# Altium PCB PCB_IC.PcbDoc (part 3 of 4) (continued)
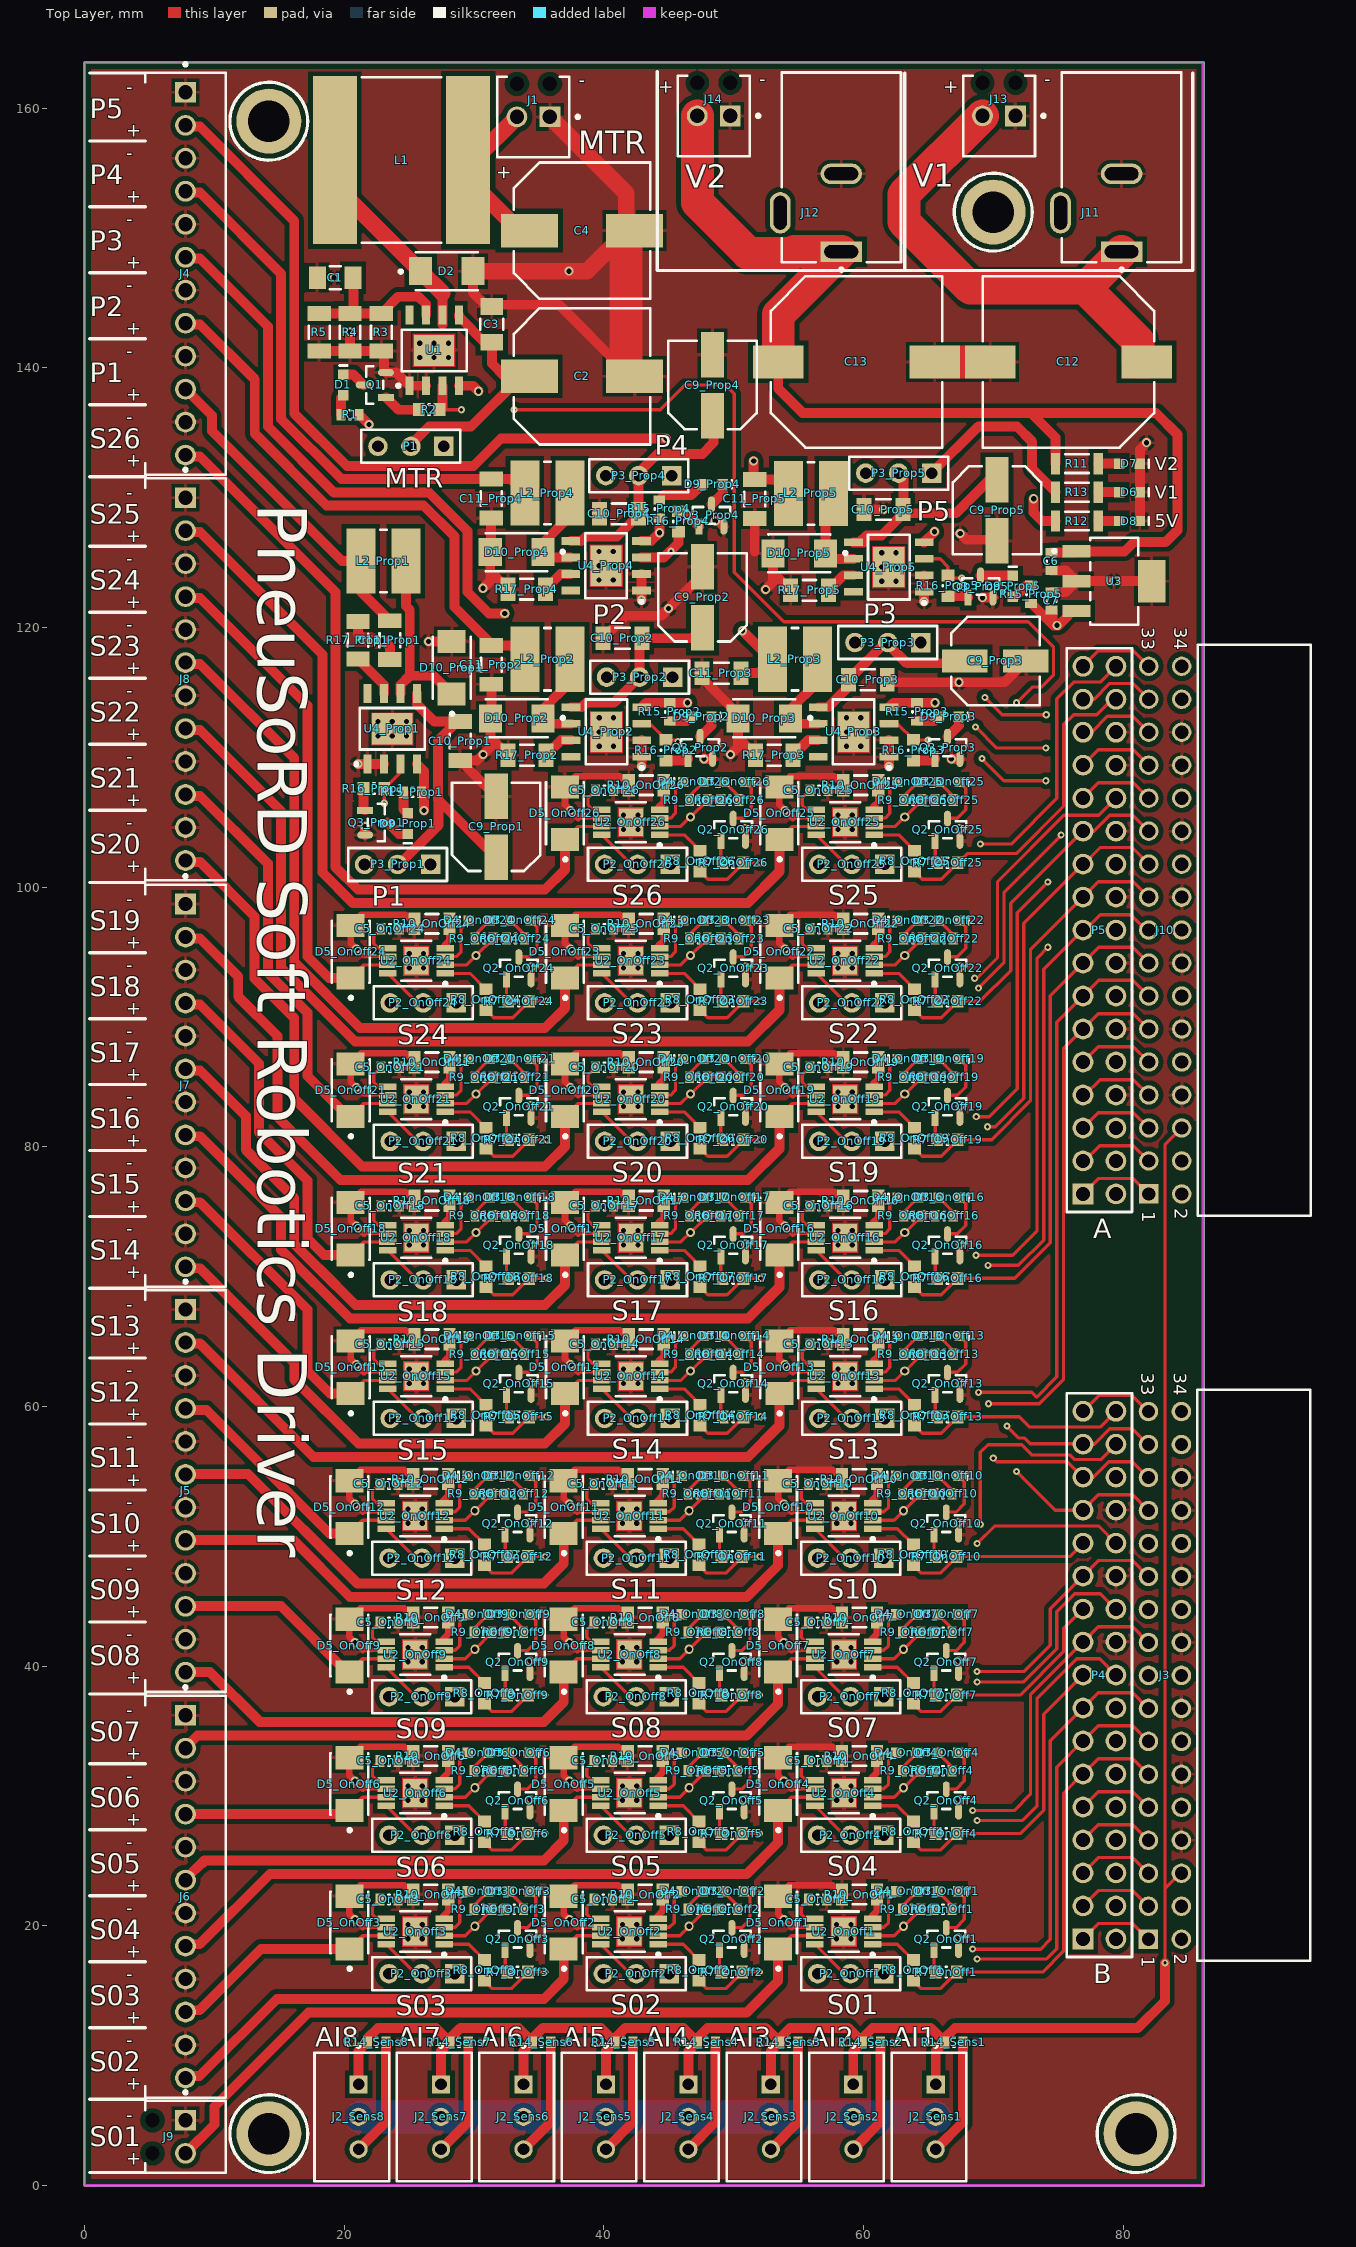
[diagram p0: Top Layer view]
## Nets (pads, with @x,y where several pads share a name; then routed paths per layer and width w, separated by ;. In a path a pad name is that pad's centre, name@x,y a point inside that pad or via, vN(x,y) a via of type N, cw(c..) or ccw(c..) an arc to the next point about the centre after c; other vN are vias at no path point) (continued)
NetD3_OnOff3_2: D3_OnOff3.2 R6_OnOff3.1 | length 1.9
  Top Layer w0.254: D3_OnOff3.2@32.685,22.668 33.804,21.549 R6_OnOff3.1@33.804,21.271
NetD3_OnOff4_1: D3_OnOff4.1 Q2_OnOff4.3 | length 4
  Top Layer w0.254: Q2_OnOff4.3@66.378,30.513 66.407,30.542 67.14,30.542 67.775,31.177 67.775,32.866 D3_OnOff4.1@67.305,33.336
NetD3_OnOff4_2: D3_OnOff4.2 R6_OnOff4.1 | length 1.9
  Top Layer w0.254: D3_OnOff4.2@65.705,33.336 66.824,32.217 R6_OnOff4.1@66.824,31.939
NetD3_OnOff5_1: D3_OnOff5.1 Q2_OnOff5.3 | length 4
  Top Layer w0.254: Q2_OnOff5.3@49.868,30.513 49.897,30.542 50.63,30.542 51.265,31.177 51.265,32.866 D3_OnOff5.1@50.795,33.336
NetD3_OnOff5_2: D3_OnOff5.2 R6_OnOff5.1 | length 1.9
  Top Layer w0.254: D3_OnOff5.2@49.195,33.336 50.314,32.217 R6_OnOff5.1@50.314,31.939
NetD3_OnOff6_1: D3_OnOff6.1 Q2_OnOff6.3 | length 4
  Top Layer w0.254: Q2_OnOff6.3@33.358,30.513 33.387,30.542 34.12,30.542 34.755,31.177 34.755,32.866 D3_OnOff6.1@34.285,33.336
NetD3_OnOff6_2: D3_OnOff6.2 R6_OnOff6.1 | length 1.9
  Top Layer w0.254: D3_OnOff6.2@32.685,33.336 33.804,32.217 R6_OnOff6.1@33.804,31.939
NetD3_OnOff7_1: D3_OnOff7.1 Q2_OnOff7.3 | length 4
  Top Layer w0.254: Q2_OnOff7.3@66.378,41.181 66.407,41.21 67.14,41.21 67.775,41.845 67.775,43.534 D3_OnOff7.1@67.305,44.004
NetD3_OnOff7_2: D3_OnOff7.2 R6_OnOff7.1 | length 1.9
  Top Layer w0.254: D3_OnOff7.2@65.705,44.004 66.824,42.885 R6_OnOff7.1@66.824,42.607
NetD3_OnOff8_1: D3_OnOff8.1 Q2_OnOff8.3 | length 4
  Top Layer w0.254: Q2_OnOff8.3@49.868,41.181 49.897,41.21 50.63,41.21 51.265,41.845 51.265,43.534 D3_OnOff8.1@50.795,44.004
NetD3_OnOff8_2: D3_OnOff8.2 R6_OnOff8.1 | length 1.9
  Top Layer w0.254: D3_OnOff8.2@49.195,44.004 50.314,42.885 R6_OnOff8.1@50.314,42.607
NetD3_OnOff9_1: D3_OnOff9.1 Q2_OnOff9.3 | length 4
  Top Layer w0.254: Q2_OnOff9.3@33.358,41.181 33.387,41.21 34.12,41.21 34.755,41.845 34.755,43.534 D3_OnOff9.1@34.285,44.004
NetD3_OnOff9_2: D3_OnOff9.2 R6_OnOff9.1 | length 1.9
  Top Layer w0.254: D3_OnOff9.2@32.685,44.004 33.804,42.885 R6_OnOff9.1@33.804,42.607
NetD3_OnOff10_1: D3_OnOff10.1 Q2_OnOff10.3 | length 4
  Top Layer w0.254: Q2_OnOff10.3@66.378,51.849 66.407,51.878 67.14,51.878 67.775,52.513 67.775,54.202 D3_OnOff10.1@67.305,54.672
NetD3_OnOff10_2: D3_OnOff10.2 R6_OnOff10.1 | length 1.9
  Top Layer w0.254: D3_OnOff10.2@65.705,54.672 66.824,53.553 R6_OnOff10.1@66.824,53.275
NetD3_OnOff11_1: D3_OnOff11.1 Q2_OnOff11.3 | length 4
  Top Layer w0.254: Q2_OnOff11.3@49.868,51.849 49.897,51.878 50.63,51.878 51.265,52.513 51.265,54.202 D3_OnOff11.1@50.795,54.672
NetD3_OnOff11_2: D3_OnOff11.2 R6_OnOff11.1 | length 1.9
  Top Layer w0.254: D3_OnOff11.2@49.195,54.672 50.314,53.553 R6_OnOff11.1@50.314,53.275
NetD3_OnOff12_1: D3_OnOff12.1 Q2_OnOff12.3 | length 4
  Top Layer w0.254: Q2_OnOff12.3@33.358,51.849 33.387,51.878 34.12,51.878 34.755,52.513 34.755,54.202 D3_OnOff12.1@34.285,54.672
NetD3_OnOff12_2: D3_OnOff12.2 R6_OnOff12.1 | length 1.9
  Top Layer w0.254: D3_OnOff12.2@32.685,54.672 33.804,53.553 R6_OnOff12.1@33.804,53.275
NetD3_OnOff13_1: D3_OnOff13.1 Q2_OnOff13.3 | length 4
  Top Layer w0.254: Q2_OnOff13.3@66.474,62.613 66.503,62.642 67.236,62.642 67.871,63.277 67.871,64.966 D3_OnOff13.1@67.401,65.436
NetD3_OnOff13_2: D3_OnOff13.2 R6_OnOff13.1 | length 1.9
  Top Layer w0.254: D3_OnOff13.2@65.801,65.436 66.92,64.317 R6_OnOff13.1@66.92,64.039
NetD3_OnOff14_1: D3_OnOff14.1 Q2_OnOff14.3 | length 4
  Top Layer w0.254: Q2_OnOff14.3@49.964,62.613 49.993,62.642 50.726,62.642 51.361,63.277 51.361,64.966 D3_OnOff14.1@50.891,65.436
NetD3_OnOff14_2: D3_OnOff14.2 R6_OnOff14.1 | length 1.9
  Top Layer w0.254: D3_OnOff14.2@49.291,65.436 50.41,64.317 R6_OnOff14.1@50.41,64.039
NetD3_OnOff15_1: D3_OnOff15.1 Q2_OnOff15.3 | length 4
  Top Layer w0.254: Q2_OnOff15.3@33.454,62.613 33.483,62.642 34.216,62.642 34.851,63.277 34.851,64.966 D3_OnOff15.1@34.381,65.436
NetD3_OnOff15_2: D3_OnOff15.2 R6_OnOff15.1 | length 1.9
  Top Layer w0.254: D3_OnOff15.2@32.781,65.436 33.9,64.317 R6_OnOff15.1@33.9,64.039
NetD3_OnOff16_1: D3_OnOff16.1 Q2_OnOff16.3 | length 4
  Top Layer w0.254: Q2_OnOff16.3@66.474,73.281 66.503,73.31 67.236,73.31 67.871,73.945 67.871,75.634 D3_OnOff16.1@67.401,76.104
NetD3_OnOff16_2: D3_OnOff16.2 R6_OnOff16.1 | length 1.9
  Top Layer w0.254: D3_OnOff16.2@65.801,76.104 66.92,74.985 R6_OnOff16.1@66.92,74.707
NetD3_OnOff17_1: D3_OnOff17.1 Q2_OnOff17.3 | length 4
  Top Layer w0.254: Q2_OnOff17.3@49.964,73.281 49.993,73.31 50.726,73.31 51.361,73.945 51.361,75.634 D3_OnOff17.1@50.891,76.104
NetD3_OnOff17_2: D3_OnOff17.2 R6_OnOff17.1 | length 1.9
  Top Layer w0.254: D3_OnOff17.2@49.291,76.104 50.41,74.985 R6_OnOff17.1@50.41,74.707
NetD3_OnOff18_1: D3_OnOff18.1 Q2_OnOff18.3 | length 4
  Top Layer w0.254: Q2_OnOff18.3@33.454,73.281 33.483,73.31 34.216,73.31 34.851,73.945 34.851,75.634 D3_OnOff18.1@34.381,76.104
NetD3_OnOff18_2: D3_OnOff18.2 R6_OnOff18.1 | length 1.9
  Top Layer w0.254: D3_OnOff18.2@32.781,76.104 33.9,74.985 R6_OnOff18.1@33.9,74.707
NetD3_OnOff19_1: D3_OnOff19.1 Q2_OnOff19.3 | length 4
  Top Layer w0.254: Q2_OnOff19.3@66.474,83.949 66.503,83.978 67.236,83.978 67.871,84.613 67.871,86.302 D3_OnOff19.1@67.401,86.772
NetD3_OnOff19_2: D3_OnOff19.2 R6_OnOff19.1 | length 1.9
  Top Layer w0.254: D3_OnOff19.2@65.801,86.772 66.92,85.653 R6_OnOff19.1@66.92,85.375
NetD3_OnOff20_1: D3_OnOff20.1 Q2_OnOff20.3 | length 4
  Top Layer w0.254: Q2_OnOff20.3@49.964,83.949 49.993,83.978 50.726,83.978 51.361,84.613 51.361,86.302 D3_OnOff20.1@50.891,86.772
NetD3_OnOff20_2: D3_OnOff20.2 R6_OnOff20.1 | length 1.9
  Top Layer w0.254: D3_OnOff20.2@49.291,86.772 50.41,85.653 R6_OnOff20.1@50.41,85.375
NetD3_OnOff21_1: D3_OnOff21.1 Q2_OnOff21.3 | length 4
  Top Layer w0.254: Q2_OnOff21.3@33.454,83.949 33.483,83.978 34.216,83.978 34.851,84.613 34.851,86.302 D3_OnOff21.1@34.381,86.772
NetD3_OnOff21_2: D3_OnOff21.2 R6_OnOff21.1 | length 1.9
  Top Layer w0.254: D3_OnOff21.2@32.781,86.772 33.9,85.653 R6_OnOff21.1@33.9,85.375
NetD3_OnOff22_1: D3_OnOff22.1 Q2_OnOff22.3 | length 4
  Top Layer w0.254: Q2_OnOff22.3@66.474,94.617 66.503,94.646 67.236,94.646 67.871,95.281 67.871,96.97 D3_OnOff22.1@67.401,97.44
NetD3_OnOff22_2: D3_OnOff22.2 R6_OnOff22.1 | length 1.9
  Top Layer w0.254: D3_OnOff22.2@65.801,97.44 66.92,96.321 R6_OnOff22.1@66.92,96.043
NetD3_OnOff23_1: D3_OnOff23.1 Q2_OnOff23.3 | length 4
  Top Layer w0.254: Q2_OnOff23.3@49.964,94.617 49.993,94.646 50.726,94.646 51.361,95.281 51.361,96.97 D3_OnOff23.1@50.891,97.44
NetD3_OnOff23_2: D3_OnOff23.2 R6_OnOff23.1 | length 1.9
  Top Layer w0.254: D3_OnOff23.2@49.291,97.44 50.41,96.321 R6_OnOff23.1@50.41,96.043
NetD3_OnOff24_1: D3_OnOff24.1 Q2_OnOff24.3 | length 4
  Top Layer w0.254: Q2_OnOff24.3@33.454,94.617 33.483,94.646 34.216,94.646 34.851,95.281 34.851,96.97 D3_OnOff24.1@34.381,97.44
NetD3_OnOff24_2: D3_OnOff24.2 R6_OnOff24.1 | length 1.9
  Top Layer w0.254: D3_OnOff24.2@32.781,97.44 33.9,96.321 R6_OnOff24.1@33.9,96.043
NetD3_OnOff25_1: D3_OnOff25.1 Q2_OnOff25.3 | length 4
  Top Layer w0.254: Q2_OnOff25.3@66.474,105.285 66.503,105.314 67.236,105.314 67.871,105.949 67.871,107.638 D3_OnOff25.1@67.401,108.108
NetD3_OnOff25_2: D3_OnOff25.2 R6_OnOff25.1 | length 1.9
  Top Layer w0.254: D3_OnOff25.2@65.801,108.108 66.92,106.989 R6_OnOff25.1@66.92,106.711
NetD3_OnOff26_1: D3_OnOff26.1 Q2_OnOff26.3 | length 4
  Top Layer w0.254: Q2_OnOff26.3@49.964,105.285 49.993,105.314 50.726,105.314 51.361,105.949 51.361,107.638 D3_OnOff26.1@50.891,108.108
NetD3_OnOff26_2: D3_OnOff26.2 R6_OnOff26.1 | length 1.9
  Top Layer w0.254: D3_OnOff26.2@49.291,108.108 50.41,106.989 R6_OnOff26.1@50.41,106.711
NetD4_OnOff1_1: D4_OnOff1.1 U2_OnOff1.3 | length 4
  Top Layer w0.254: U2_OnOff1.3@60.718,19.889 61.567,19.889 61.933,20.255 61.933,22.071 D4_OnOff1.1@62.53,22.668
NetD4_OnOff1_2: D4_OnOff1.2 R9_OnOff1.1 | length 1.9
  Top Layer w0.254: R9_OnOff1.1@63.011,21.271 63.011,21.549 D4_OnOff1.2@64.13,22.668
NetD4_OnOff2_1: D4_OnOff2.1 U2_OnOff2.3 | length 4
  Top Layer w0.254: U2_OnOff2.3@44.208,19.889 45.057,19.889 45.423,20.255 45.423,22.071 D4_OnOff2.1@46.02,22.668
NetD4_OnOff2_2: D4_OnOff2.2 R9_OnOff2.1 | length 1.9
  Top Layer w0.254: R9_OnOff2.1@46.501,21.271 46.501,21.549 D4_OnOff2.2@47.62,22.668
NetD4_OnOff3_1: D4_OnOff3.1 U2_OnOff3.3 | length 4
  Top Layer w0.254: U2_OnOff3.3@27.698,19.889 28.547,19.889 28.913,20.255 28.913,22.071 D4_OnOff3.1@29.51,22.668
NetD4_OnOff3_2: D4_OnOff3.2 R9_OnOff3.1 | length 1.9
  Top Layer w0.254: R9_OnOff3.1@29.991,21.271 29.991,21.549 D4_OnOff3.2@31.11,22.668
NetD4_OnOff4_1: D4_OnOff4.1 U2_OnOff4.3 | length 4
  Top Layer w0.254: U2_OnOff4.3@60.718,30.557 61.567,30.557 61.933,30.923 61.933,32.739 D4_OnOff4.1@62.53,33.336
NetD4_OnOff4_2: D4_OnOff4.2 R9_OnOff4.1 | length 1.9
  Top Layer w0.254: R9_OnOff4.1@63.011,31.939 63.011,32.217 D4_OnOff4.2@64.13,33.336
NetD4_OnOff5_1: D4_OnOff5.1 U2_OnOff5.3 | length 4
  Top Layer w0.254: U2_OnOff5.3@44.208,30.557 45.057,30.557 45.423,30.923 45.423,32.739 D4_OnOff5.1@46.02,33.336
NetD4_OnOff5_2: D4_OnOff5.2 R9_OnOff5.1 | length 1.9
  Top Layer w0.254: R9_OnOff5.1@46.501,31.939 46.501,32.217 D4_OnOff5.2@47.62,33.336
NetD4_OnOff6_1: D4_OnOff6.1 U2_OnOff6.3 | length 4
  Top Layer w0.254: U2_OnOff6.3@27.698,30.557 28.547,30.557 28.913,30.923 28.913,32.739 D4_OnOff6.1@29.51,33.336
NetD4_OnOff6_2: D4_OnOff6.2 R9_OnOff6.1 | length 1.9
  Top Layer w0.254: R9_OnOff6.1@29.991,31.939 29.991,32.217 D4_OnOff6.2@31.11,33.336
NetD4_OnOff7_1: D4_OnOff7.1 U2_OnOff7.3 | length 4
  Top Layer w0.254: U2_OnOff7.3@60.718,41.225 61.567,41.225 61.933,41.591 61.933,43.407 D4_OnOff7.1@62.53,44.004
NetD4_OnOff7_2: D4_OnOff7.2 R9_OnOff7.1 | length 1.9
  Top Layer w0.254: R9_OnOff7.1@63.011,42.607 63.011,42.885 D4_OnOff7.2@64.13,44.004
NetD4_OnOff8_1: D4_OnOff8.1 U2_OnOff8.3 | length 4
  Top Layer w0.254: U2_OnOff8.3@44.208,41.225 45.057,41.225 45.423,41.591 45.423,43.407 D4_OnOff8.1@46.02,44.004
NetD4_OnOff8_2: D4_OnOff8.2 R9_OnOff8.1 | length 1.9
  Top Layer w0.254: R9_OnOff8.1@46.501,42.607 46.501,42.885 D4_OnOff8.2@47.62,44.004
NetD4_OnOff9_1: D4_OnOff9.1 U2_OnOff9.3 | length 4
  Top Layer w0.254: U2_OnOff9.3@27.698,41.225 28.547,41.225 28.913,41.591 28.913,43.407 D4_OnOff9.1@29.51,44.004
NetD4_OnOff9_2: D4_OnOff9.2 R9_OnOff9.1 | length 1.9
  Top Layer w0.254: R9_OnOff9.1@29.991,42.607 29.991,42.885 D4_OnOff9.2@31.11,44.004
NetD4_OnOff10_1: D4_OnOff10.1 U2_OnOff10.3 | length 4
  Top Layer w0.254: U2_OnOff10.3@60.718,51.893 61.567,51.893 61.933,52.259 61.933,54.075 D4_OnOff10.1@62.53,54.672
NetD4_OnOff10_2: D4_OnOff10.2 R9_OnOff10.1 | length 1.9
  Top Layer w0.254: R9_OnOff10.1@63.011,53.275 63.011,53.553 D4_OnOff10.2@64.13,54.672
NetD4_OnOff11_1: D4_OnOff11.1 U2_OnOff11.3 | length 4
  Top Layer w0.254: U2_OnOff11.3@44.208,51.893 45.057,51.893 45.423,52.259 45.423,54.075 D4_OnOff11.1@46.02,54.672
NetD4_OnOff11_2: D4_OnOff11.2 R9_OnOff11.1 | length 1.9
  Top Layer w0.254: R9_OnOff11.1@46.501,53.275 46.501,53.553 D4_OnOff11.2@47.62,54.672
NetD4_OnOff12_1: D4_OnOff12.1 U2_OnOff12.3 | length 4
  Top Layer w0.254: U2_OnOff12.3@27.698,51.893 28.547,51.893 28.913,52.259 28.913,54.075 D4_OnOff12.1@29.51,54.672
NetD4_OnOff12_2: D4_OnOff12.2 R9_OnOff12.1 | length 1.9
  Top Layer w0.254: R9_OnOff12.1@29.991,53.275 29.991,53.553 D4_OnOff12.2@31.11,54.672
NetD4_OnOff13_1: D4_OnOff13.1 U2_OnOff13.3 | length 4
  Top Layer w0.254: U2_OnOff13.3@60.814,62.657 61.663,62.657 62.029,63.023 62.029,64.839 D4_OnOff13.1@62.626,65.436
NetD4_OnOff13_2: D4_OnOff13.2 R9_OnOff13.1 | length 1.9
  Top Layer w0.254: R9_OnOff13.1@63.107,64.039 63.107,64.317 D4_OnOff13.2@64.226,65.436
NetD4_OnOff14_1: D4_OnOff14.1 U2_OnOff14.3 | length 4
  Top Layer w0.254: U2_OnOff14.3@44.304,62.657 45.153,62.657 45.519,63.023 45.519,64.839 D4_OnOff14.1@46.116,65.436
NetD4_OnOff14_2: D4_OnOff14.2 R9_OnOff14.1 | length 1.9
  Top Layer w0.254: R9_OnOff14.1@46.597,64.039 46.597,64.317 D4_OnOff14.2@47.716,65.436
NetD4_OnOff15_1: D4_OnOff15.1 U2_OnOff15.3 | length 4
  Top Layer w0.254: U2_OnOff15.3@27.794,62.657 28.643,62.657 29.009,63.023 29.009,64.839 D4_OnOff15.1@29.606,65.436
NetD4_OnOff15_2: D4_OnOff15.2 R9_OnOff15.1 | length 1.9
  Top Layer w0.254: R9_OnOff15.1@30.087,64.039 30.087,64.317 D4_OnOff15.2@31.206,65.436
NetD4_OnOff16_1: D4_OnOff16.1 U2_OnOff16.3 | length 4
  Top Layer w0.254: U2_OnOff16.3@60.814,73.325 61.663,73.325 62.029,73.691 62.029,75.507 D4_OnOff16.1@62.626,76.104
NetD4_OnOff16_2: D4_OnOff16.2 R9_OnOff16.1 | length 1.9
  Top Layer w0.254: R9_OnOff16.1@63.107,74.707 63.107,74.985 D4_OnOff16.2@64.226,76.104
NetD4_OnOff17_1: D4_OnOff17.1 U2_OnOff17.3 | length 4
  Top Layer w0.254: U2_OnOff17.3@44.304,73.325 45.153,73.325 45.519,73.691 45.519,75.507 D4_OnOff17.1@46.116,76.104
NetD4_OnOff17_2: D4_OnOff17.2 R9_OnOff17.1 | length 1.9
  Top Layer w0.254: R9_OnOff17.1@46.597,74.707 46.597,74.985 D4_OnOff17.2@47.716,76.104
NetD4_OnOff18_1: D4_OnOff18.1 U2_OnOff18.3 | length 4
  Top Layer w0.254: U2_OnOff18.3@27.794,73.325 28.643,73.325 29.009,73.691 29.009,75.507 D4_OnOff18.1@29.606,76.104
NetD4_OnOff18_2: D4_OnOff18.2 R9_OnOff18.1 | length 1.9
  Top Layer w0.254: R9_OnOff18.1@30.087,74.707 30.087,74.985 D4_OnOff18.2@31.206,76.104
NetD4_OnOff19_1: D4_OnOff19.1 U2_OnOff19.3 | length 4
  Top Layer w0.254: U2_OnOff19.3@60.814,83.993 61.663,83.993 62.029,84.359 62.029,86.175 D4_OnOff19.1@62.626,86.772
NetD4_OnOff19_2: D4_OnOff19.2 R9_OnOff19.1 | length 1.9
  Top Layer w0.254: R9_OnOff19.1@63.107,85.375 63.107,85.653 D4_OnOff19.2@64.226,86.772
NetD4_OnOff20_1: D4_OnOff20.1 U2_OnOff20.3 | length 4
  Top Layer w0.254: U2_OnOff20.3@44.304,83.993 45.153,83.993 45.519,84.359 45.519,86.175 D4_OnOff20.1@46.116,86.772
NetD4_OnOff20_2: D4_OnOff20.2 R9_OnOff20.1 | length 1.9
  Top Layer w0.254: R9_OnOff20.1@46.597,85.375 46.597,85.653 D4_OnOff20.2@47.716,86.772
NetD4_OnOff21_1: D4_OnOff21.1 U2_OnOff21.3 | length 4
  Top Layer w0.254: U2_OnOff21.3@27.794,83.993 28.643,83.993 29.009,84.359 29.009,86.175 D4_OnOff21.1@29.606,86.772
NetD4_OnOff21_2: D4_OnOff21.2 R9_OnOff21.1 | length 1.9
  Top Layer w0.254: R9_OnOff21.1@30.087,85.375 30.087,85.653 D4_OnOff21.2@31.206,86.772
NetD4_OnOff22_1: D4_OnOff22.1 U2_OnOff22.3 | length 4
  Top Layer w0.254: U2_OnOff22.3@60.814,94.661 61.663,94.661 62.029,95.027 62.029,96.843 D4_OnOff22.1@62.626,97.44
NetD4_OnOff22_2: D4_OnOff22.2 R9_OnOff22.1 | length 1.9
  Top Layer w0.254: R9_OnOff22.1@63.107,96.043 63.107,96.321 D4_OnOff22.2@64.226,97.44
NetD4_OnOff23_1: D4_OnOff23.1 U2_OnOff23.3 | length 4
  Top Layer w0.254: U2_OnOff23.3@44.304,94.661 45.153,94.661 45.519,95.027 45.519,96.843 D4_OnOff23.1@46.116,97.44
NetD4_OnOff23_2: D4_OnOff23.2 R9_OnOff23.1 | length 1.9
  Top Layer w0.254: R9_OnOff23.1@46.597,96.043 46.597,96.321 D4_OnOff23.2@47.716,97.44
NetD4_OnOff24_1: D4_OnOff24.1 U2_OnOff24.3 | length 4
  Top Layer w0.254: U2_OnOff24.3@27.794,94.661 28.643,94.661 29.009,95.027 29.009,96.843 D4_OnOff24.1@29.606,97.44
NetD4_OnOff24_2: D4_OnOff24.2 R9_OnOff24.1 | length 1.9
  Top Layer w0.254: R9_OnOff24.1@30.087,96.043 30.087,96.321 D4_OnOff24.2@31.206,97.44
NetD4_OnOff25_1: D4_OnOff25.1 U2_OnOff25.3 | length 4
  Top Layer w0.254: U2_OnOff25.3@60.814,105.329 61.663,105.329 62.029,105.695 62.029,107.511 D4_OnOff25.1@62.626,108.108
NetD4_OnOff25_2: D4_OnOff25.2 R9_OnOff25.1 | length 1.9
  Top Layer w0.254: R9_OnOff25.1@63.107,106.711 63.107,106.989 D4_OnOff25.2@64.226,108.108
NetD4_OnOff26_1: D4_OnOff26.1 U2_OnOff26.3 | length 4
  Top Layer w0.254: U2_OnOff26.3@44.304,105.329 45.153,105.329 45.519,105.695 45.519,107.511 D4_OnOff26.1@46.116,108.108
NetD4_OnOff26_2: D4_OnOff26.2 R9_OnOff26.1 | length 1.9
  Top Layer w0.254: R9_OnOff26.1@46.597,106.711 46.597,106.989 D4_OnOff26.2@47.716,108.108
NetD6_2: D6.2 R13.1 | length 1.6
  Top Layer w0.762: R13.1@78.088,130.429 D6.2@79.689,130.429
NetD7_2: D7.2 R11.1 | length 1.6
  Top Layer w0.762: R11.1@78.088,132.626 D7.2@79.689,132.626
NetD8_2: D8.2 R12.1 | length 1.6
  Top Layer w0.762: R12.1@78.088,128.206 D8.2@79.689,128.206 ; D8.2@79.737,128.206 D8.2@79.739,128.204
NetD9_Prop1_1: D9_Prop1.1 Q3_Prop1.3 | length 1.9
  Top Layer w0.762: Q3_Prop1.3@23.342,104.977 24.218,104.1 D9_Prop1.1@24.887,104.1
NetD9_Prop1_2: D9_Prop1.2 R15_Prop1.1 | length 1.8
  Top Layer w0.762: R15_Prop1.1@24.56,107.321 24.56,106.027 D9_Prop1.2@24.887,105.7
NetD9_Prop2_1: D9_Prop2.1 Q3_Prop2.3 | length 1.9
  Top Layer w0.762: Q3_Prop2.3@47.424,111.592 48.3,112.468 D9_Prop2.1@48.3,113.137
NetD9_Prop2_2: D9_Prop2.2 R15_Prop2.1 | length 1.8
  Top Layer w0.762: R15_Prop2.1@45.08,112.81 46.373,112.81 D9_Prop2.2@46.7,113.137
NetD9_Prop3_1: D9_Prop3.1 Q3_Prop3.3 | length 1.9
  Top Layer w0.762: Q3_Prop3.3@66.474,111.592 67.35,112.468 D9_Prop3.1@67.35,113.137
NetD9_Prop3_2: D9_Prop3.2 R15_Prop3.1 | length 1.8
  Top Layer w0.762: R15_Prop3.1@64.13,112.81 65.423,112.81 D9_Prop3.2@65.75,113.137
NetD9_Prop4_1: D9_Prop4.1 Q3_Prop4.3 | length 1.9
  Top Layer w0.762: Q3_Prop4.3@48.294,129.493 49.171,130.37 D9_Prop4.1@49.171,131.039
NetD9_Prop4_2: D9_Prop4.2 R15_Prop4.1 | length 3.8
  Top Layer w0.762: R15_Prop4.1@44.281,129.835 44.647,130.2 46.732,130.2 D9_Prop4.2@47.571,131.039
NetD9_Prop5_1: D9_Prop5.1 Q3_Prop5.3 | length 2.5
  Top Layer w0.762: Q3_Prop5.3@69.021,124.022 71.475,124.022 D9_Prop5.1@71.51,123.987
NetD9_Prop5_2: D9_Prop5.2 R15_Prop5.1 | length 1.8
  Top Layer w0.762: D9_Prop5.2@71.51,122.387 71.687,122.387 72.555,123.255 R15_Prop5.1@72.907,123.255
NetD10_Prop1_1: D10_Prop1.1 L2_Prop1.1 U4_Prop1.6 | length 14.4
  Top Layer w0.762: U4_Prop1.6@24.345,114.93 24.345,115.583 25.051,116.29 ; L2_Prop1.1@24.757,125.122 24.757,121.664 25.057,121.364 25.057,116.295 25.051,116.29 ; D10_Prop1.1@28.286,114.879 26.876,116.29 25.051,116.29
NetD10_Prop2_1: D10_Prop2.1 L2_Prop2.1 U4_Prop2.6 | length 7.7
  Top Layer w0.762: L2_Prop2.1@37.399,117.558 37.399,115.788 35.327,113.715 D10_Prop2.1@35.327,113.01 35.742,112.594 U4_Prop2.6@37.471,112.594
NetD10_Prop3_1: D10_Prop3.1 L2_Prop3.1 U4_Prop3.6 | length 7.7
  Top Layer w0.762: L2_Prop3.1@56.449,117.558 56.449,115.788 54.377,113.715 D10_Prop3.1@54.377,113.01 54.792,112.594 U4_Prop3.6@56.521,112.594
NetD10_Prop4_1: D10_Prop4.1 L2_Prop4.1 U4_Prop4.6 | length 7.7
  Top Layer w0.762: L2_Prop4.1@37.38,130.354 37.38,128.584 35.308,126.511 D10_Prop4.1@35.308,125.806 35.724,125.39 U4_Prop4.6@37.452,125.39
NetD10_Prop5_1: D10_Prop5.1 L2_Prop5.1 U4_Prop5.6 | length 7.2
  Top Layer w0.762: L2_Prop5.1@57.689,130.335 57.084,129.73 D10_Prop5.1@57.084,125.711 57.5,125.295 U4_Prop5.6@59.229,125.295
NetQ1_1: Q1.1 R2.2 | length 2.9
  Top Layer w0.762: Q1.1@23.221,137.734 24.176,136.779 R2.2@25.752,136.779
NetQ2_OnOff1_1: Q2_OnOff1.1 R7_OnOff1.2 | length 1.7
  Top Layer w0.254: Q2_OnOff1.1@65.428,18.125 65.428,16.595 R7_OnOff1.2@65.578,16.445
NetQ2_OnOff2_1: Q2_OnOff2.1 R7_OnOff2.2 | length 1.7
  Top Layer w0.254: Q2_OnOff2.1@48.918,18.125 48.918,16.595 R7_OnOff2.2@49.068,16.445
NetQ2_OnOff3_1: Q2_OnOff3.1 R7_OnOff3.2 | length 1.7
  Top Layer w0.254: Q2_OnOff3.1@32.408,18.125 32.408,16.595 R7_OnOff3.2@32.558,16.445
NetQ2_OnOff4_1: Q2_OnOff4.1 R7_OnOff4.2 | length 1.7
  Top Layer w0.254: Q2_OnOff4.1@65.428,28.793 65.428,27.263 R7_OnOff4.2@65.578,27.113
NetQ2_OnOff5_1: Q2_OnOff5.1 R7_OnOff5.2 | length 1.7
  Top Layer w0.254: Q2_OnOff5.1@48.918,28.793 48.918,27.263 R7_OnOff5.2@49.068,27.113
NetQ2_OnOff6_1: Q2_OnOff6.1 R7_OnOff6.2 | length 1.7
  Top Layer w0.254: Q2_OnOff6.1@32.408,28.793 32.408,27.263 R7_OnOff6.2@32.558,27.113
NetQ2_OnOff7_1: Q2_OnOff7.1 R7_OnOff7.2 | length 1.7
  Top Layer w0.254: Q2_OnOff7.1@65.428,39.461 65.428,37.931 R7_OnOff7.2@65.578,37.781
NetQ2_OnOff8_1: Q2_OnOff8.1 R7_OnOff8.2 | length 1.7
  Top Layer w0.254: Q2_OnOff8.1@48.918,39.461 48.918,37.931 R7_OnOff8.2@49.068,37.781
NetQ2_OnOff9_1: Q2_OnOff9.1 R7_OnOff9.2 | length 1.7
  Top Layer w0.254: Q2_OnOff9.1@32.408,39.461 32.408,37.931 R7_OnOff9.2@32.558,37.781
NetQ2_OnOff10_1: Q2_OnOff10.1 R7_OnOff10.2 | length 1.7
  Top Layer w0.254: Q2_OnOff10.1@65.428,50.129 65.428,48.599 R7_OnOff10.2@65.578,48.449
NetQ2_OnOff11_1: Q2_OnOff11.1 R7_OnOff11.2 | length 1.7
  Top Layer w0.254: Q2_OnOff11.1@48.918,50.129 48.918,48.599 R7_OnOff11.2@49.068,48.449
NetQ2_OnOff12_1: Q2_OnOff12.1 R7_OnOff12.2 | length 1.7
  Top Layer w0.254: Q2_OnOff12.1@32.408,50.129 32.408,48.599 R7_OnOff12.2@32.558,48.449
NetQ2_OnOff13_1: Q2_OnOff13.1 R7_OnOff13.2 | length 1.7
  Top Layer w0.254: Q2_OnOff13.1@65.524,60.893 65.524,59.363 R7_OnOff13.2@65.674,59.213
NetQ2_OnOff14_1: Q2_OnOff14.1 R7_OnOff14.2 | length 1.7
  Top Layer w0.254: Q2_OnOff14.1@49.014,60.893 49.014,59.363 R7_OnOff14.2@49.164,59.213
NetQ2_OnOff15_1: Q2_OnOff15.1 R7_OnOff15.2 | length 1.7
  Top Layer w0.254: Q2_OnOff15.1@32.504,60.893 32.504,59.363 R7_OnOff15.2@32.654,59.213
NetQ2_OnOff16_1: Q2_OnOff16.1 R7_OnOff16.2 | length 1.7
  Top Layer w0.254: Q2_OnOff16.1@65.524,71.561 65.524,70.031 R7_OnOff16.2@65.674,69.881
NetQ2_OnOff17_1: Q2_OnOff17.1 R7_OnOff17.2 | length 1.7
  Top Layer w0.254: Q2_OnOff17.1@49.014,71.561 49.014,70.031 R7_OnOff17.2@49.164,69.881
NetQ2_OnOff18_1: Q2_OnOff18.1 R7_OnOff18.2 | length 1.7
  Top Layer w0.254: Q2_OnOff18.1@32.504,71.561 32.504,70.031 R7_OnOff18.2@32.654,69.881
NetQ2_OnOff19_1: Q2_OnOff19.1 R7_OnOff19.2 | length 1.7
  Top Layer w0.254: Q2_OnOff19.1@65.524,82.229 65.524,80.699 R7_OnOff19.2@65.674,80.549
NetQ2_OnOff20_1: Q2_OnOff20.1 R7_OnOff20.2 | length 1.7
  Top Layer w0.254: Q2_OnOff20.1@49.014,82.229 49.014,80.699 R7_OnOff20.2@49.164,80.549
NetQ2_OnOff21_1: Q2_OnOff21.1 R7_OnOff21.2 | length 1.7
  Top Layer w0.254: Q2_OnOff21.1@32.504,82.229 32.504,80.699 R7_OnOff21.2@32.654,80.549
NetQ2_OnOff22_1: Q2_OnOff22.1 R7_OnOff22.2 | length 1.7
  Top Layer w0.254: Q2_OnOff22.1@65.524,92.897 65.524,91.367 R7_OnOff22.2@65.674,91.217
NetQ2_OnOff23_1: Q2_OnOff23.1 R7_OnOff23.2 | length 1.7
  Top Layer w0.254: Q2_OnOff23.1@49.014,92.897 49.014,91.367 R7_OnOff23.2@49.164,91.217
NetQ2_OnOff24_1: Q2_OnOff24.1 R7_OnOff24.2 | length 1.7
  Top Layer w0.254: Q2_OnOff24.1@32.504,92.897 32.504,91.367 R7_OnOff24.2@32.654,91.217
NetQ2_OnOff25_1: Q2_OnOff25.1 R7_OnOff25.2 | length 1.7
  Top Layer w0.254: Q2_OnOff25.1@65.524,103.565 65.524,102.035 R7_OnOff25.2@65.674,101.885
NetQ2_OnOff26_1: Q2_OnOff26.1 R7_OnOff26.2 | length 1.7
  Top Layer w0.254: Q2_OnOff26.1@49.014,103.565 49.014,102.035 R7_OnOff26.2@49.164,101.885
NetQ3_Prop1_1: Q3_Prop1.1 R16_Prop1.2 | length 1.7
  Top Layer w0.762: R16_Prop1.2@21.497,107.593 21.497,106.052 Q3_Prop1.1@21.622,105.927
NetQ3_Prop2_1: Q3_Prop2.1 R16_Prop2.2 | length 1.7
  Top Layer w0.762: R16_Prop2.2@44.808,109.746 46.349,109.746 Q3_Prop2.1@46.474,109.872
NetQ3_Prop3_1: Q3_Prop3.1 R16_Prop3.2 | length 1.7
  Top Layer w0.762: R16_Prop3.2@63.858,109.746 65.399,109.746 Q3_Prop3.1@65.524,109.872
NetQ3_Prop4_1: Q3_Prop4.1 R16_Prop4.2 | length 2.1
  Top Layer w0.762: R16_Prop4.2@45.754,128.968 46.149,128.968 Q3_Prop4.1@47.344,127.773
NetQ3_Prop5_1: Q3_Prop5.1 R16_Prop5.2 | length 1.6
  Top Layer w0.762: R16_Prop5.2@66.506,122.415 67.957,122.415 Q3_Prop5.1@68.071,122.301
NetR8_OnOff1_2: R8_OnOff1.2 U2_OnOff1.1 | length 3.6
  Top Layer w0.254: U2_OnOff1.1@60.718,18.589 62.621,18.589 R8_OnOff1.2@63.838,17.372
NetR8_OnOff2_2: R8_OnOff2.2 U2_OnOff2.1 | length 3.6
  Top Layer w0.254: U2_OnOff2.1@44.208,18.589 46.111,18.589 R8_OnOff2.2@47.328,17.372
NetR8_OnOff3_2: R8_OnOff3.2 U2_OnOff3.1 | length 3.6
  Top Layer w0.254: U2_OnOff3.1@27.698,18.589 29.601,18.589 R8_OnOff3.2@30.818,17.372
NetR8_OnOff4_2: R8_OnOff4.2 U2_OnOff4.1 | length 3.6
  Top Layer w0.254: U2_OnOff4.1@60.718,29.257 62.621,29.257 R8_OnOff4.2@63.838,28.04
NetR8_OnOff5_2: R8_OnOff5.2 U2_OnOff5.1 | length 3.6
  Top Layer w0.254: U2_OnOff5.1@44.208,29.257 46.111,29.257 R8_OnOff5.2@47.328,28.04
NetR8_OnOff6_2: R8_OnOff6.2 U2_OnOff6.1 | length 3.6
  Top Layer w0.254: U2_OnOff6.1@27.698,29.257 29.601,29.257 R8_OnOff6.2@30.818,28.04
NetR8_OnOff7_2: R8_OnOff7.2 U2_OnOff7.1 | length 3.6
  Top Layer w0.254: U2_OnOff7.1@60.718,39.925 62.621,39.925 R8_OnOff7.2@63.838,38.708
NetR8_OnOff8_2: R8_OnOff8.2 U2_OnOff8.1 | length 3.6
  Top Layer w0.254: U2_OnOff8.1@44.208,39.925 46.111,39.925 R8_OnOff8.2@47.328,38.708
NetR8_OnOff9_2: R8_OnOff9.2 U2_OnOff9.1 | length 3.6
  Top Layer w0.254: U2_OnOff9.1@27.698,39.925 29.601,39.925 R8_OnOff9.2@30.818,38.708
NetR8_OnOff10_2: R8_OnOff10.2 U2_OnOff10.1 | length 3.6
  Top Layer w0.254: U2_OnOff10.1@60.718,50.593 62.621,50.593 R8_OnOff10.2@63.838,49.376
NetR8_OnOff11_2: R8_OnOff11.2 U2_OnOff11.1 | length 3.6
  Top Layer w0.254: U2_OnOff11.1@44.208,50.593 46.111,50.593 R8_OnOff11.2@47.328,49.376
NetR8_OnOff12_2: R8_OnOff12.2 U2_OnOff12.1 | length 3.6
  Top Layer w0.254: U2_OnOff12.1@27.698,50.593 29.601,50.593 R8_OnOff12.2@30.818,49.376
NetR8_OnOff13_2: R8_OnOff13.2 U2_OnOff13.1 | length 3.6
  Top Layer w0.254: U2_OnOff13.1@60.814,61.357 62.717,61.357 R8_OnOff13.2@63.934,60.14
NetR8_OnOff14_2: R8_OnOff14.2 U2_OnOff14.1 | length 3.6
  Top Layer w0.254: U2_OnOff14.1@44.304,61.357 46.207,61.357 R8_OnOff14.2@47.424,60.14
NetR8_OnOff15_2: R8_OnOff15.2 U2_OnOff15.1 | length 3.6
  Top Layer w0.254: U2_OnOff15.1@27.794,61.357 29.697,61.357 R8_OnOff15.2@30.914,60.14
NetR8_OnOff16_2: R8_OnOff16.2 U2_OnOff16.1 | length 3.6
  Top Layer w0.254: U2_OnOff16.1@60.814,72.025 62.717,72.025 R8_OnOff16.2@63.934,70.808
NetR8_OnOff17_2: R8_OnOff17.2 U2_OnOff17.1 | length 3.6
  Top Layer w0.254: U2_OnOff17.1@44.304,72.025 46.207,72.025 R8_OnOff17.2@47.424,70.808
NetR8_OnOff18_2: R8_OnOff18.2 U2_OnOff18.1 | length 3.6
  Top Layer w0.254: U2_OnOff18.1@27.794,72.025 29.697,72.025 R8_OnOff18.2@30.914,70.808
NetR8_OnOff19_2: R8_OnOff19.2 U2_OnOff19.1 | length 3.6
  Top Layer w0.254: U2_OnOff19.1@60.814,82.693 62.717,82.693 R8_OnOff19.2@63.934,81.476
NetR8_OnOff20_2: R8_OnOff20.2 U2_OnOff20.1 | length 3.6
  Top Layer w0.254: U2_OnOff20.1@44.304,82.693 46.207,82.693 R8_OnOff20.2@47.424,81.476
NetR8_OnOff21_2: R8_OnOff21.2 U2_OnOff21.1 | length 3.6
  Top Layer w0.254: U2_OnOff21.1@27.794,82.693 29.697,82.693 R8_OnOff21.2@30.914,81.476
NetR8_OnOff22_2: R8_OnOff22.2 U2_OnOff22.1 | length 3.6
  Top Layer w0.254: U2_OnOff22.1@60.814,93.361 62.717,93.361 R8_OnOff22.2@63.934,92.144
NetR8_OnOff23_2: R8_OnOff23.2 U2_OnOff23.1 | length 3.6
  Top Layer w0.254: U2_OnOff23.1@44.304,93.361 46.207,93.361 R8_OnOff23.2@47.424,92.144
NetR8_OnOff24_2: R8_OnOff24.2 U2_OnOff24.1 | length 3.6
  Top Layer w0.254: U2_OnOff24.1@27.794,93.361 29.697,93.361 R8_OnOff24.2@30.914,92.144
NetR8_OnOff25_2: R8_OnOff25.2 U2_OnOff25.1 | length 3.6
  Top Layer w0.254: U2_OnOff25.1@60.814,104.029 62.717,104.029 R8_OnOff25.2@63.934,102.812
NetR8_OnOff26_2: R8_OnOff26.2 U2_OnOff26.1 | length 3.6
  Top Layer w0.254: U2_OnOff26.1@44.304,104.029 46.207,104.029 R8_OnOff26.2@47.424,102.812
NetR10_OnOff1_2: R10_OnOff1.2 U2_OnOff1.4 | length 1.9
  Top Layer w0.508: U2_OnOff1.4@60.632,20.732 61.044,21.144 R10_OnOff1.2@61.044,22.414
NetR10_OnOff2_2: R10_OnOff2.2 U2_OnOff2.4 | length 1.9
  Top Layer w0.508: U2_OnOff2.4@44.122,20.732 44.534,21.144 R10_OnOff2.2@44.534,22.414